# KiCad board 3ric.kicad_pcb (continued)
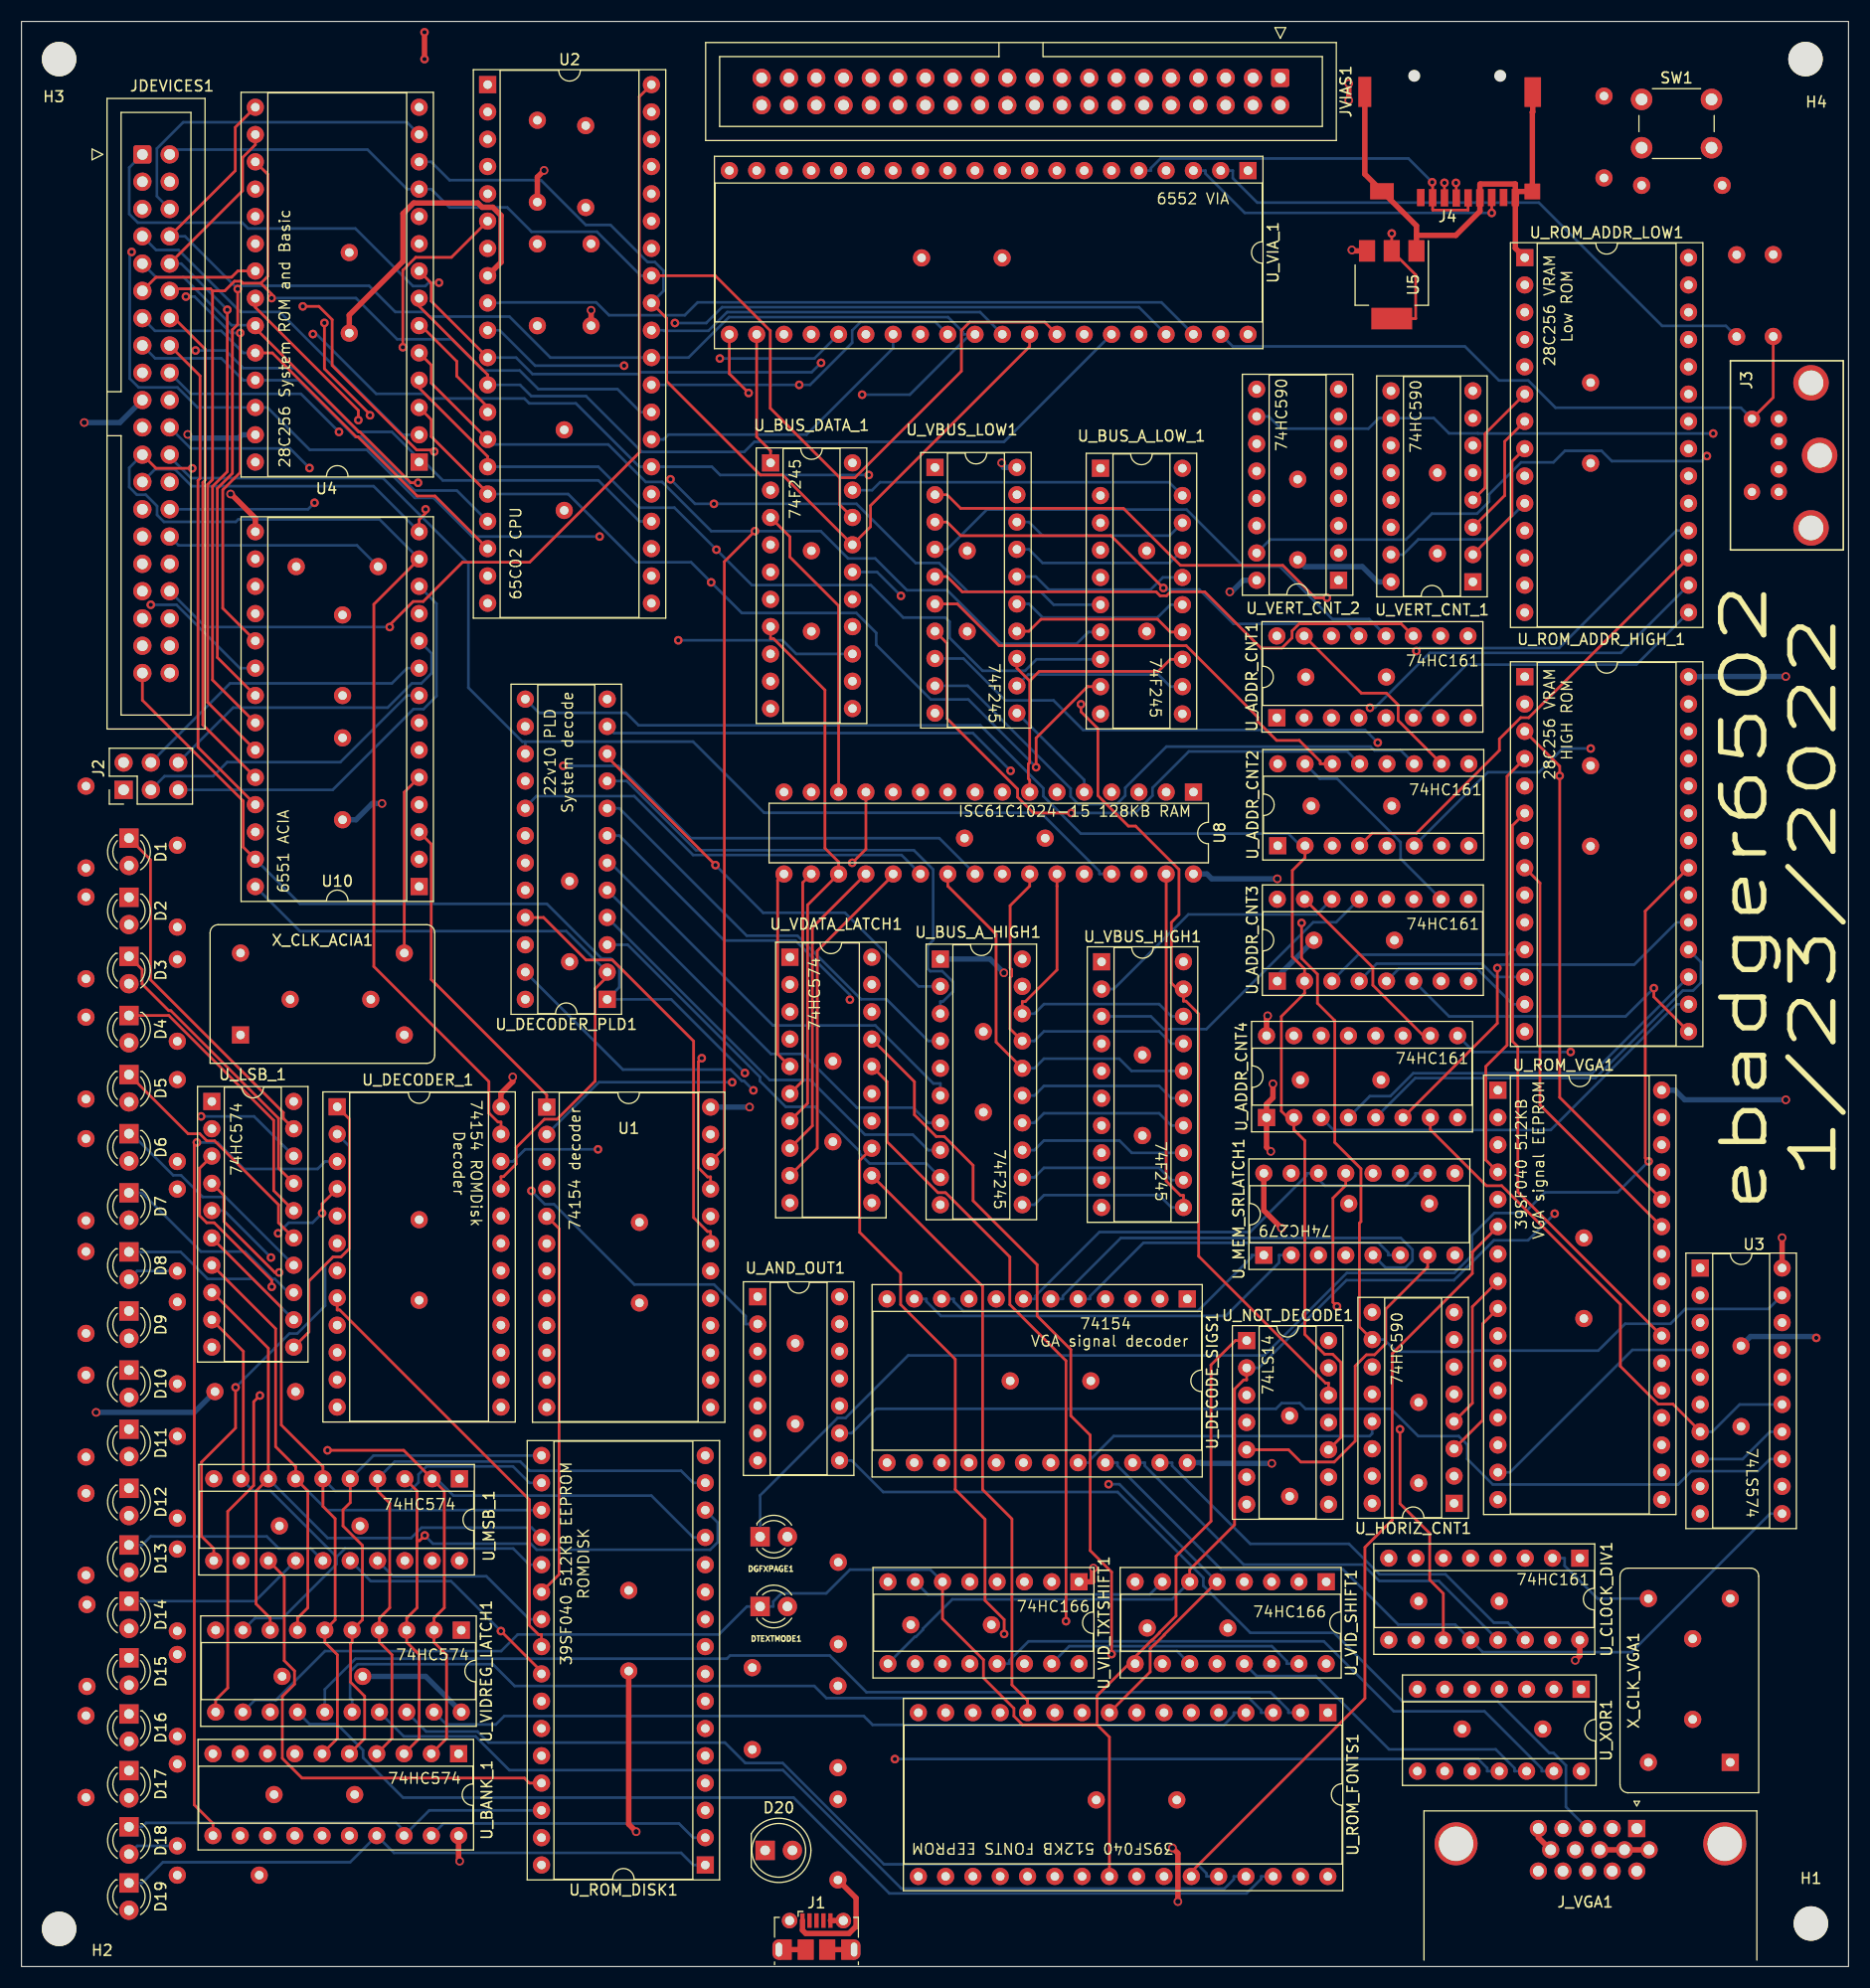
[diagram p0: board, top side]
## Nets (continued)
VSYNC: J_VGA1.14 U3.16
~{CPUBUS_CS}: U_BUS_A_HIGH1.19 U_BUS_A_LOW_1.19 U_BUS_DATA_1.19 U_DECODER_PLD1.23
~{CS_ACIA}: U1.1 U10.3
~{CS_IO2}: JDEVICES1.18 U1.3
~{CS_IO3}: JDEVICES1.22 U1.4
~{CS_RAM}: U8.22 U_DECODER_PLD1.17
~{CS_ROMDISK}: U1.5 U_DECODER_1.20 U_ROM_DISK1.22
~{CS_ROM}: U4.20 U_DECODER_PLD1.16
~{CS_VIA1}: U1.2 U_VIA_1.23
~{CTS}: J2.4 U10.9
~{Device}: U1.18 U1.19 U_DECODER_PLD1.21
~{IRQ_ACIA}: R5.1 U10.26 U_AND_OUT1.2
~{IRQ_VIA1}: U_AND_OUT1.1 U_VIA_1.21
~{IRQEXT}: JDEVICES1.30 R6.1 U_AND_OUT1.5
~{IRQ}: U2.4 U_AND_OUT1.6
~{NMI}: JDEVICES1.32 R4.1 U2.6
~{OE}: JDEVICES1.26 U4.22 U8.24 U_DECODER_PLD1.14
~{RESET}: C_RESET_1.1 JDEVICES1.34 R_RESET_1.2 SW1.2 U2.40 U10.4 U_VIA_1.34
~{RomDiskOE}: U_DECODER_1.8 U_ROM_DISK1.24
~{RTS}: J2.3 U10.8
~{WE}: JDEVICES1.24 U8.29 U_DECODER_PLD1.15
Net-(D1-Pad2): D1.2 R7.1
Net-(D2-Pad2): D2.2 R8.1
Net-(D3-Pad2): D3.2 R9.1
Net-(D4-Pad2): D4.2 R10.1
Net-(D5-Pad2): D5.2 R11.1
Net-(D6-Pad2): D6.2 R12.1
Net-(D7-Pad2): D7.2 R13.1
Net-(D8-Pad2): D8.2 R14.1
Net-(D9-Pad2): D9.2 R15.1
Net-(D10-Pad2): D10.2 R16.1
Net-(D11-Pad2): D11.2 R17.1
Net-(D12-Pad2): D12.2 R18.1
Net-(D13-Pad2): D13.2 R19.1
Net-(D14-Pad2): D14.2 R20.1
Net-(D15-Pad2): D15.2 R21.1
Net-(D16-Pad2): D16.2 R22.1
Net-(D17-Pad2): D17.2 R23.1
Net-(D18-Pad2): D18.2 R24.1
Net-(D19-Pad2): D19.2 R25.1
Net-(D20-Pad1): D20.1 R_POWER1.1
Net-(DGFXPAGE1-Pad2): DGFXPAGE1.2 R26.1
Net-(DTEXTMODE1-Pad2): DTEXTMODE1.2 R27.1
Net-(R1-Pad1): R1.1 U2.2
Net-(R2-Pad1): R2.1 U2.38
Net-(R3-Pad1): R3.1 U2.36
Net-(U3-Pad2): U3.2 U_ROM_VGA1.13
Net-(U3-Pad3): U3.3 U_ROM_VGA1.14
Net-(U3-Pad4): U3.4 U_ROM_VGA1.15
Net-(U3-Pad5): U3.5 U_ROM_VGA1.17
Net-(U3-Pad6): U3.6 U_ROM_VGA1.18
Net-(U_ADDR_CNT1-Pad11): U_ADDR_CNT1.11 U_VBUS_LOW1.5
Net-(U_ADDR_CNT1-Pad12): U_ADDR_CNT1.12 U_VBUS_LOW1.4
Net-(U_ADDR_CNT1-Pad13): U_ADDR_CNT1.13 U_VBUS_LOW1.3
Net-(U_ADDR_CNT1-Pad14): U_ADDR_CNT1.14 U_VBUS_LOW1.2
Net-(U_ADDR_CNT2-Pad11): U_ADDR_CNT2.11 U_VBUS_LOW1.9
Net-(U_ADDR_CNT2-Pad12): U_ADDR_CNT2.12 U_VBUS_LOW1.8
Net-(U_ADDR_CNT2-Pad13): U_ADDR_CNT2.13 U_VBUS_LOW1.7
Net-(U_ADDR_CNT2-Pad14): U_ADDR_CNT2.14 U_VBUS_LOW1.6
Net-(U_ADDR_CNT3-Pad11): U_ADDR_CNT3.11 U_VBUS_HIGH1.5
Net-(U_ADDR_CNT3-Pad12): U_ADDR_CNT3.12 U_VBUS_HIGH1.4
Net-(U_ADDR_CNT3-Pad13): U_ADDR_CNT3.13 U_VBUS_HIGH1.3
Net-(U_ADDR_CNT3-Pad14): U_ADDR_CNT3.14 U_VBUS_HIGH1.2
Net-(U_ADDR_CNT4-Pad11): U_ADDR_CNT4.11 U_VBUS_HIGH1.9
Net-(U_ADDR_CNT4-Pad12): U_ADDR_CNT4.12 U_VBUS_HIGH1.8
Net-(U_ADDR_CNT4-Pad13): U_ADDR_CNT4.13 U_VBUS_HIGH1.7
Net-(U_ADDR_CNT4-Pad14): U_ADDR_CNT4.14 U_VBUS_HIGH1.6
Net-(U_AND_OUT1-Pad3): U_AND_OUT1.3 U_AND_OUT1.4
Net-(U_DECODE_SIGS1-Pad1): U_DECODE_SIGS1.1 U_MEM_SRLATCH1.11 U_MEM_SRLATCH1.12
Net-(U_DECODE_SIGS1-Pad2): U_DECODE_SIGS1.2 U_MEM_SRLATCH1.15
Net-(U_DECODE_SIGS1-Pad5): U_DECODE_SIGS1.5 U_MEM_SRLATCH1.6
Net-(U_DECODE_SIGS1-Pad6): U_DECODE_SIGS1.6 U_MEM_SRLATCH1.5
Net-(U_DECODE_SIGS1-Pad7): U_DECODE_SIGS1.7 U_MEM_SRLATCH1.10 U_MEM_SRLATCH1.14
Net-(U_DECODE_SIGS1-Pad10): U_DECODE_SIGS1.10 U_MEM_SRLATCH1.1
Net-(U_DECODE_SIGS1-Pad11): U_DECODE_SIGS1.11 U_MEM_SRLATCH1.2 U_MEM_SRLATCH1.3
Net-(U_MEM_SRLATCH1-Pad7): U_MEM_SRLATCH1.7 U_NOT_DECODE1.5
Net-(U_MEM_SRLATCH1-Pad9): U_MEM_SRLATCH1.9 U_NOT_DECODE1.11
Net-(U_MEM_SRLATCH1-Pad13): U_MEM_SRLATCH1.13 U_NOT_DECODE1.13
Net-(U_VERT_CNT_1-Pad9): U_VERT_CNT_1.9 U_VERT_CNT_2.12

Pads without a net: J1 2 3 4; J3 2 6 7; J4 1 8; J_VGA1 0 4 9 11 12 15; U1 6 7 8 9 10 11 13 14 15 16 17; U2 1 3 5 7 35 39; U3 9 12; U8 1 2; U10 7 11 16 17; U_ADDR_CNT4 15; U_AND_OUT1 11 12 13; U_BANK_1 12 13 14 15 16; U_CLOCK_DIV1 15; U_DECODE_SIGS1 3 4 8 9 13 14 15 16 17; U_DECODER_1 5 6 7 9 10 11 13 14 15 16 17; U_DECODER_PLD1 18 19 20; U_HORIZ_CNT1 6 7 9; U_NOT_DECODE1 3 4 8 9; U_ROM_ADDR_LOW1 11 12 13; U_ROM_VGA1 19 20 21; U_VERT_CNT_2 2 3 4 5 6 7 9; U_XOR1 1 2 3 4 5 6 8 9 10; X_CLK_ACIA1 1; X_CLK_VGA1 1

## Via types
v1: diameter 0.8, hole 0.5, Top to Bottom, 30 vias
v2: diameter 0.8, hole 0.4, Top to Bottom, 95 vias

## Routing (per net, layer and track width the routed paths; a pad name or vN(x,y) marks a point on that pad's centre or on a via; arc(x,y) is an arc through that point)
3.3V: length 20.4
  Top w0.25: U5.2 129.73,153.35 129.73,157.42 U5.2 v2(127.5,161.27) ; v2(133.47,165.98) 133.5,165.95 J4.4
  In1.Cu w0.25: v2(127.5,161.27) 128.76,161.27 v2(133.47,165.98)
GND: length 59.9
  Top w0.5: J_VGA1.8 151.44,10.86 ; J4.9 140.62,172.6 140.58,172.56 J4.9 139,165.18 ; J4.9 124.99,166.8 J4.9 ; J1.6 J1.6 J1.6 ; U_ROM_ADDR_LOW1.1 139,159.9 139,165.18 ; J1.6 J1.5 ; U5.1 129.8,161.1 ; 129.8,161.1 133.46,161.1 135.7,163.34 135.7,165.84 135.74,165.88 138.99,165.88 139,165.87 139,165.18 ; 129.8,161.1 129.8,161.99 127.19,164.6 ; 142.28,10.86 141.14,12.01 J_VGA1.5 ; J1.6 J1.6 J1.6
V3.3: length 124.5
  In1.Cu w0.25: JVIAS1.31 75.96,178.83 31.06,178.83 23.98,171.75 19.74,171.75 15.35,167.36 10.82,167.36 9.52,166.06 9.52,125.5 10.78,124.25 11.83,124.25 13.03,125.45 JDEVICES1.36
  In2.Cu w0.25: JVIAS1.31 JVIAS1.29
VCC: length 1153.2
  Top w0.5: U2.8 44.62,158.59 44.62,162.94 43.85,163.72 42.86,163.72 42.46,164.11 36.48,164.11 35.5,163.13 35.5,158.68 30.5,153.68 C19.1 ; v1(115.95,88.47) 115.85,88.37 U_ADDR_CNT4.16 ; v1(144.57,28.49) 145,28.92 U_CLOCK_DIV1.16 ; U10.15 21.76,134.77 19.5,137.03 v1(19.46,137.03) ; v1(107.09,11.04) 107.6,10.53 v1(107.6,6.04) ; J1.1 72.67,3.38 72.97,3.07 76.99,3.07 77.66,3.74 77.66,6.37 C6.1 ; C15.1 56.5,13.24 v1(57.2,12.55) ; v1(99.74,37.07) 99.65,36.99 99.65,35.8 U_VID_TXTSHIFT1.1 ; R1.2 48,166.52 v1(48.62,167.14) ; v2(37.5,177.5) v2(37.5,180) ; v1(116.44,82.14) 116.44,80.84 115.85,80.25 U_ADDR_CNT4.1 115.85,76.24 v1(116.24,75.85) ; v1(117.23,68.72) 115.6,70.35 U_MEM_SRLATCH1.16 ; v1(123.5,175.24) v1(123.5,173.66) ; v1(53,154.13) R3.2 ; U_DECODER_1.24 44.61,81.25 45.71,82.34 v1(45.71,82.78) ; U_BANK_1.20 40.67,9.9 v1(40.77,9.8) ; v1(163.82,67.82) U3.20 ; v1(123.79,159.74) 123.88,159.65 U5.3
  In1.Cu w0.5: U_CLOCK_DIV1.16 141.5,33.88 141.5,34 ; C28.1 31.84,40.66 31.84,34.62 32.02,34.45 ; U_VBUS_HIGH1.20 108.12,100.42 ; U_VDATA_LATCH1.20 75.5,90.31 C39.1 ; v1(40.77,9.8) 41.46,9.11 41.46,6.06 ; 32.02,34.45 32.02,27.27 C35.1 ; 32.02,34.45 37.43,34.45 U_MSB_1.20 ; U_ROM_DISK1.31 U_ROM_DISK1.32 48.39,5.76 ; v1(107.09,11.04) 107.09,15.09 C8.1 ; U_ADDR_CNT2.16 116.89,111.3 ; 116.89,111.3 116.89,111.11 C3.1 118.67,109.33 118.23,109.33 116.89,107.99 U_ADDR_CNT2.1 116.89,103.05 116.85,103.01 v1(116.85,101.22) U_ADDR_CNT3.16 116.85,98.07 119.42,95.5 C16.1 ; 116.89,111.3 116.81,111.37 U_ADDR_CNT1.1 116.81,119.41 118.39,120.99 ; U8.32 109.05,101.35 108.12,100.42 ; 121.62,58.88 121.62,59.5 121.55,59.57 121.55,61.78 121.95,62.18 121.95,68.72 ; 121.62,58.88 U_NOT_DECODE1.14 ; 121.62,58.88 118,55.26 C4.1 116.34,49.59 v1(116.34,46.82) ; C33.1 89.5,90.56 v1(91.41,92.47) 91.41,92.66 93.12,94.38 ; 93.12,94.38 93.12,95 95.08,96.96 95.08,104.83 C32.1 ; 93.12,94.38 U_BUS_A_HIGH1.20 ; U2.8 43.34,157.34 R4.2 50.5,150.19 C14.1 ; C39.1 76.79,82.96 76.79,64.25 76.12,63.58 U_AND_OUT1.14 76.12,61.08 75.08,61.08 C37.1 ; C39.1 73.75,82.5 70.27,82.5 v1(67.75,79.97) ; 68.87,177.66 JVIAS1.39 ; JDEVICES1.20 15.47,144.09 v1(15.47,142.57) ; C31.1 129.1,128.85 U_VERT_CNT_1.16 ; C20.1 116.85,129 116.81,129 ; 108.12,100.42 105.22,100.42 U8.30 ; 24.01,131.53 24.01,131.45 22.26,129.71 20.59,129.71 JDEVICES1.38 ; 24.01,131.53 25.26,130.28 25.56,130.28 25.56,130.9 25.56,130.08 C26.1 33.54,122.11 v1(33.54,108.23) 33.54,106.5 U10.2 ; 24.01,131.53 23.97,131.53 21.98,133.52 U10.15 ; 121.55,5.82 U_ROM_FONTS1.32 ; 76.49,177.16 JVIAS1.33 ; 129.76,43.1 U_CLOCK_DIV1.7 129.76,36.75 127.22,34.21 U_CLOCK_DIV1.9 ; 129.76,43.1 U_HORIZ_CNT1.16 ; 129.76,43.1 129.76,44.76 C22.1 ; U_VID_SHIFT1.1 U_VID_SHIFT1.16 ; v1(57.2,12.55) 57.29,12.45 57.29,5.39 ; U_CLOCK_DIV1.10 133.38,34 C1.1 141.46,34 ; 37,71.68 44.07,78.75 44.61,78.75 U_DECODER_1.24 ; 37,71.68 32.49,76.19 28.84,76.19 26.58,78.46 26.58,78.48 25.85,79.21 25.83,79.21 25.33,79.7 U_LSB_1.20 25.33,89.67 C21.1 29.88,94.88 29.88,106.72 ; 37,71.68 C17.1 ; 118.39,120.99 116.81,122.57 U_ADDR_CNT1.16 116.81,129 ; 118.39,120.99 118.39,121.11 C9.1 ; 155.12,157.75 147.25,157.75 ; 155.12,157.75 U_ROM_ADDR_LOW1.27 ; 155.12,157.75 U_ROM_ADDR_LOW1.28 ; 147.25,157.75 R_RESET_1.1 ; 147.25,157.75 147.25,148.64 C12.1 ; C34.1 141.31,21.87 141.31,16.2 135.94,10.82 135.94,6.37 ; C34.1 145.12,18.53 U_XOR1.14 ; C34.1 143.87,24.42 143.87,27.8 v1(144.57,28.49) ; U_VIDREG_LATCH1.20 39.42,22.18 39.42,16 ; U1.24 57.5,73.36 C43.1 ; C40.1 104.7,135.4 108.02,138.72 108.02,138.8 ; 167.25,157.95 164.36,157.95 RKB1.1 ; 39.42,16 39.42,13.43 U_BANK_1.20 ; 39.42,16 C24.1 ; v1(116.24,75.85) 115.6,75.21 U_MEM_SRLATCH1.16 ; C2.1 104.37,49.63 ; 104.37,49.63 102.12,47.39 102.12,39.46 v1(99.74,37.07) ; 104.37,49.63 105.73,49.63 U_DECODE_SIGS1.24 108.47,43.53 109.99,42.01 109.99,33.76 C11.1 ; 165.06,69.35 163.82,68.11 v1(163.82,67.82) ; 108.02,138.8 112.43,134.39 v1(112.43,127.92) ; 108.02,138.8 U_BUS_A_LOW_1.20 ; R2.2 51.73,162.92 51.73,155.39 v1(53,154.13) ; 73.95,177.52 JVIAS1.35 ; v1(48.62,167.14) 51,169.52 51,177.67 ; 165.64,118.57 v1(164.17,120.05) ; 123.5,177.98 v1(123.5,175.24) ; 116.81,129 U_VERT_CNT_2.16 ; 121.95,68.72 v1(117.23,68.72) ; 121.95,68.72 121.95,69.45 C7.1 ; 71.41,177.42 JVIAS1.37 ; C13.1 88,136.5 U_VBUS_LOW1.1 85,143 84.89,143.11 84.89,157.86 C38.1 ; C5.1 94.78,31.8 U_VID_TXTSHIFT1.16 ; C5.1 94.08,31.8 ; C5.1 94.4,31.8 U_VID_TXTSHIFT1.1 ; v1(123.79,159.74) 123.79,173.37 v1(123.5,173.66) ; C42.1 73.5,136.1 U_BUS_DATA_1.20 73.48,143.76 U_VIA_1.24 ; 4.76,52.02 6.49,52.02 v1(6.94,51.57) ; U_VBUS_HIGH1.1 104.3,89.7 C18.1 ; v1(116.44,82.14) 117.76,83.46 118.04,83.46 C10.1 119,83.47 U_ADDR_CNT4.16 ; C36.1 151.74,117.48 U_ROM_ADDR_HIGH_1.27 U_ROM_ADDR_HIGH_1.28 ; C27.1 47.5,90 U_DECODER_PLD1.24 46.88,83.95 v1(45.71,82.78) ; 166.43,137.47 163.75,137.47 J3.4 ; R_POWER1.2 77.24,17.23 77.24,9.33 C6.1 75.97,7.41 77.54,5.85 ; 165.31,79.51 v1(164.17,80.65) ; v1(115.95,88.47) 116.85,89.37 U_ADDR_CNT3.1 ; 141.46,33.96 145,37.5 U_CLOCK_DIV1.1 ; v1(5.84,143.68) 5.75,143.77 3.8,143.77 ; C25.1 155.38,23 X_CLK_VGA1.14 ; 65.86,178.23 65.86,167.12 ; 4.73,106.81 5.51,106.81 8.2,109.5 J2.1 ; C19.1 30.5,151.28 U4.27 U4.28 21.76,139.33 v1(19.46,137.03) ; C41.1 145.38,71.77 U_ROM_VGA1.31 U_ROM_VGA1.32 ; 119.01,5.46 U_ROM_FONTS1.31
  In2.Cu w0.5: U_BUS_DATA_1.20 83.32,139.93 83.75,139.5 U_VBUS_LOW1.1 86.25,139.5 86.67,139.92 v1(91.2,139.92) ; U_ROM_ADDR_LOW1.28 156.37,159.03 156.63,159.29 RKB2.2 160.84,159.29 160.86,159.31 RKB1.1 ; X_CLK_ACIA1.14 24.69,90 C21.1 ; U_XOR1.14 150.56,18.18 X_CLK_VGA1.14 ; U_CLOCK_DIV1.10 U_CLOCK_DIV1.9 121.4,30.38 ; U_VBUS_LOW1.20 99.07,139.5 99.15,139.43 U_BUS_A_LOW_1.1 U_BUS_A_LOW_1.20 ; U_VBUS_HIGH1.20 U_VBUS_HIGH1.1 99.25,93.5 99,93.75 U_BUS_A_HIGH1.20 ; U_VID_SHIFT1.16 121.4,30.38 ; 121.4,30.38 113.37,30.38 C11.1 ; R3.2 R4.2 ; R2.2 49.75,163.69 49.25,164.19 R1.2 ; U_BUS_A_HIGH1.1 84.25,93.75 84.07,93.92 U_VDATA_LATCH1.20 ; JDEVICES1.20 JDEVICES1.19
  Bottom w0.5: C16.1 116.85,92.1 U_ADDR_CNT3.1 ; v1(91.41,92.47) 90.13,93.75 U_BUS_A_HIGH1.1 ; U4.27 20.51,142.54 20.2,142.23 15.81,142.23 v1(15.47,142.57) ; C35.1 37.6,27 U_VIDREG_LATCH1.20 ; U8.32 110.3,101.67 110.75,101.22 v1(116.85,101.22) ; C30.1 16.07,51.57 v1(6.94,51.57) ; U1.24 v1(67.75,79.97) ; v1(112.43,127.92) 112.6,127.92 113.68,129 U_VERT_CNT_2.16 ; C23.1 160.88,58.63 166.87,58.63 v2(167,58.5) ; U_ROM_VGA1.32 153.87,81.55 154.76,80.65 v1(164.17,80.65) ; v1(33.54,108.23) 32.64,108.23 31.13,106.72 29.88,106.72 ; JDEVICES1.19 9.16,143.68 v1(5.84,143.68) ; U_ROM_ADDR_HIGH_1.28 156.37,120.03 156.39,120.05 v1(164.17,120.05) ; C20.1 119.38,130.27 124.76,130.27 126.18,128.85 U_VERT_CNT_1.16 ; U_DECODE_SIGS1.24 109.73,46.88 109.79,46.82 v1(116.34,46.82) ; U_VBUS_LOW1.20 91.37,139.5 91.37,139.76 v1(91.2,139.92)
AR3: length 29.7
  Bottom w0.25: U_ADDR_CNT1.6 134.46,121.15 150.26,121.15 U_ROM_ADDR_LOW1.15
AR4: length 49.1
  In1.Cu w0.25: v2(125.48,117.13) 125.48,117.13 125.83,116.78 125.83,115.62 125.47,115.26 125.47,113.59 125.65,113.42 125.65,107.98 U_ADDR_CNT2.3
  Bottom w0.25: U_ROM_ADDR_LOW1.16 148.81,122.24 131.04,122.24 125.92,117.13 v2(125.48,117.13)
AR5: length 42.3
  Top w0.25: U_ROM_ADDR_LOW1.17 140.25,116.22 139.5,116.22 137.51,114.23 137.51,113.17 129.8,105.46 125.67,105.46 U_ADDR_CNT2.4
AR6: length 49.4
  In1.Cu w0.25: U_ADDR_CNT2.5 127.05,105.43 128.63,107 128.63,109.28 128.38,109.53 128.38,121.01 v2(129.79,122.42)
  Bottom w0.25: U_ROM_ADDR_LOW1.18 153.99,133.62 143.06,122.69 130.07,122.69 v2(129.79,122.42)
AR7: length 46.8
  In1.Cu w0.25: v2(146.01,113.34) 146.01,127.06 U_ROM_ADDR_LOW1.19
  Bottom w0.25: U_ADDR_CNT2.6 136.42,111.14 141.2,111.14 143.41,113.34 v2(146.01,113.34)
AR8: length 19.2
  Bottom w0.25: U_ADDR_CNT3.3 124.39,94.16 138.28,94.16 138.75,94.62 U_ROM_ADDR_HIGH_1.11
AR9: length 16.6
  Bottom w0.25: 139.88,92.08 137.13,92.08 135.89,93.32 126.09,93.32 U_ADDR_CNT3.4
AR10: length 14.7
  Bottom w0.25: U_ADDR_CNT3.5 128.14,92.83 135.47,92.83 138.75,89.55 U_ROM_ADDR_HIGH_1.13
AR11: length 30.2
  Top w0.25: v2(151.89,91.04) 151.89,90.23 U_ROM_ADDR_HIGH_1.15
  Bottom w0.25: v2(151.89,91.04) 149.26,88.41 132.84,88.41 U_ADDR_CNT3.6
AR12: length 39.5
  Bottom w0.25: U_ROM_ADDR_HIGH_1.16 153.99,89.55 142.29,77.84 122.09,77.84 U_ADDR_CNT4.3
AR13: length 37.1
  Bottom w0.25: 155.12,92.08 146.15,83.12 129.5,83.12 127.37,81 125.47,81 U_ADDR_CNT4.4
AR14: length 39
  Bottom w0.25: U_ADDR_CNT4.5 129.69,82.68 146.45,82.68 154.59,90.81 155.54,90.81 156.27,91.55 156.27,93.47 U_ROM_ADDR_HIGH_1.18
AR15: length 37.1
  Top w0.25: U_ADDR_CNT4.6 137.32,87.77 v2(137.32,92.92)
  Bottom w0.25: v2(137.32,92.92) 137.64,93.23 150.06,93.23 153.99,97.17 U_ROM_ADDR_HIGH_1.19
CA0: length 230.2
  Top w0.25: U_DECODER_1.23 44.61,78.59 44.33,78.59 43.49,79.43 43.49,82.35 32.78,93.06 32.78,126.76 U10.13 ; v2(15.89,139.42) 12.52,139.42 JDEVICES1.23
  In1.Cu w0.25: U4.10 37,161.91 ; 37,161.91 36.91,161.91 33.49,158.49 33.49,157.23 25.15,148.89 21.44,148.89 18.86,146.32 18.86,142.39 v2(15.89,139.42) ; 37,161.91 37.04,161.96 38.41,160.59 38.41,159.77 U2.9 ; U_VIA_1.38 109.04,145.95 100.4,137.31 U_BUS_A_LOW_1.2
  Bottom w0.25: U2.9 44.5,154.81 44.55,154.86 53.47,154.86 54.67,153.67 61.72,153.67 62.92,154.86 106.07,154.86 U_VIA_1.38 ; U10.13 33.31,134.67 20.17,134.67 19.94,134.43 13.26,134.43 12.61,135.08 12.61,135.91 11.56,136.96 10.74,136.96 10.03,137.67 10.03,139.47 JDEVICES1.23
CA1: length 230.7
  Top w0.25: U10.14 37,134.65 37.6,135.25 v2(37.6,135.6)
  In1.Cu w0.25: 38.14,157.42 38.14,157.22 37.97,157.06 37.97,156.32 38.16,156.13 38.16,144.6 37.46,143.91 36.27,143.91 35.55,143.19 35.55,137.65 v2(37.6,135.6) ; 38.14,157.42 39.15,157.42 43.38,153.19 U2.10 ; 38.14,157.42 38.14,159.18 U4.9 ; v2(53.64,76.05) 53.34,76.35 53.34,105.45 48.3,110.49 48.3,113.07 47.24,114.13 45.37,114.13 43.11,116.39 43.11,122.99 38.86,127.24 38.86,131.66 U10.14 ; U_BUS_A_LOW_1.3 99.22,135.52 99.22,144.6 106.5,151.88 U_VIA_1.37 ; v2(56.07,148.97) 58.09,151 59,151 60.8,152.79 v2(60.8,152.94)
  Bottom w0.25: v2(56.07,148.97) 47.79,148.97 44.5,152.26 U2.10 ; U_VIA_1.37 103.98,154.41 65.19,154.41 63.72,152.94 v2(60.8,152.94) ; v2(53.64,76.05) 46.87,76.05 45.74,74.92 U_DECODER_1.22 ; JDEVICES1.25 12.42,139.33 14.27,139.33 15.84,137.76 32.76,137.76 U10.14
CA2: length 162.2
  Top w0.25: U2.11 38.12,154.98 38.12,156.66 U4.8
  In1.Cu w0.25: U4.8 34.67,157.78 23.24,146.35 21.4,146.35 19.98,144.94 19.98,142.49 14.46,136.97 12.61,136.97 JDEVICES1.27 ; v2(74.4,149.23) 75.03,149.23 77.44,151.64 77.44,154.32 83.27,160.15 84.61,160.15 92.53,152.22 92.53,149.3 94.48,147.35 94.48,133.5 99.89,128.09 100.86,128.09 101.56,128.79 101.56,130.65 U_BUS_A_LOW_1.4 98.76,133.45 98.76,146.68 U_VIA_1.36
  Bottom w0.25: v2(74.4,149.23) 73.52,148.36 57.57,148.36 57.41,148.19 47.55,148.19 46.02,149.72 U2.11
CA3: length 136.7
  Top w0.25: U4.7 37,154.5 43.38,148.13 U2.12
  In1.Cu w0.25: U_BUS_A_LOW_1.5 100.4,130.39 100.17,130.39 98.28,132.28 98.28,148.74 U_VIA_1.35 ; JDEVICES1.29 12.52,134.34 17.79,134.34 23.82,140.37 23.82,142.06 U4.7
  Bottom w0.25: U_VIA_1.35 91.42,141.88 68.19,141.88 67.25,140.94 57.73,140.94 52.53,146.14 47.43,146.14 46.39,147.19 U2.12
CA4: length 171.9
  Top w0.25: U2.13 43.38,145.12 40.5,148 40.5,149.38 37.18,152.7 U4.6
  In1.Cu w0.25: U4.6 35.84,152.7 24.27,141.13 24.27,140.18 15.89,131.8 12.52,131.8 JDEVICES1.31 ; v2(64.43,136.12) 63,134.68 63,125.04 63.19,124.84 63.19,97.42 62.55,96.77 62.55,83.7 65.25,81 65.25,78.57 64.11,77.44 ; v2(60.39,138.4) 49.62,138.4 U2.13
  Bottom w0.25: v2(60.39,138.4) 62.67,136.12 v2(64.43,136.12) 77.7,136.12 83.2,130.61 85.38,130.61 88.05,127.94 94.82,127.94 96.04,126.72 U_BUS_A_LOW_1.6
CA5: length 171.9
  Top w0.25: U1.22 65.4,76.18 65.4,130.73 v2(68.24,133.57) ; U4.5 38.12,149.04 38.12,147.36 U2.14
  In1.Cu w0.25: JDEVICES1.33 12.52,129.26 14.62,129.26 25.17,139.81 25.17,140.76 30.85,146.43 33.27,146.43 U4.5
  Bottom w0.25: U_BUS_A_LOW_1.7 99.27,124.19 98.18,123.09 91.13,123.09 86.15,128.07 82.4,128.07 79.43,131.03 76.91,131.03 74.37,133.57 v2(68.24,133.57) 64.18,133.57 59.61,138.15 58.08,138.15 54.6,141.64 43.84,141.64 U2.14
CA6: length 174.2
  Top w0.25: U2.15 43.38,140.51 37,146.89 U4.4 ; 64.11,72.36 64.11,73.48 63.83,73.48 62.99,74.32 62.99,84.22 v2(63.29,84.53)
  In1.Cu w0.25: v2(63.29,84.53) 63.64,84.87 63.64,125.03 63.45,125.23 63.45,130.63 v2(64.66,131.85) ; U4.4 35.87,147.62 34.24,145.98 31.03,145.98 25.62,140.57 25.62,139.62 20.03,134.03 20.03,132.54 14.21,126.72 13.06,126.72 11.79,125.45 JDEVICES1.35
  Bottom w0.25: U2.15 53.68,139.56 57.49,135.75 60.75,135.75 v2(64.66,131.85) 67.96,128.55 79.02,128.55 82.04,125.53 85.97,125.53 86.36,125.14 86.36,123.64 89.42,120.58 93.38,120.58 94.45,121.64 U_BUS_A_LOW_1.8
CA7: length 181.4
  Top w0.25: U4.3 38.12,143.96 38.12,142.38 43.38,137.12 U2.16 ; v2(94.41,111.6) 94.41,114.32 99.19,119.11 U_BUS_A_LOW_1.9
  In1.Cu w0.25: U1.20 65.75,71.45 65.75,81.64 65.4,81.98 65.4,127.58 v2(64.17,128.81) ; U4.3 30.77,145.08 26.07,140.38 26.07,139.44 20.63,134 20.63,130.57 14.24,124.18 12.52,124.18 JDEVICES1.37
  Bottom w0.25: U2.16 50.87,137.03 57.22,130.68 62.3,130.68 v2(64.17,128.81) 67.02,125.95 77.68,125.95 79.54,124.1 79.54,122.99 84.61,117.91 88.1,117.91 v2(94.41,111.6)
CA8: length 105.3
  Top w0.25: U_DECODER_PLD1.10 54.5,112.57 v2(64.57,102.49)
  In1.Cu w0.25: U2.17 43.38,134.12 53.35,124.15 53.35,114.01 U_DECODER_PLD1.10
  Bottom w0.25: JDEVICES1.15 12.44,149.66 18.6,149.66 20.63,147.62 U4.25 25.77,147.62 31.03,142.36 31.58,142.36 36.59,137.35 40.51,137.35 U2.17 ; v2(64.57,102.49) 69.01,98.06 76.62,98.06 83.47,91.21 U_BUS_A_HIGH1.2
CA9: length 116.9
  Top w0.25: U2.18 38.48,136.84 36.82,136.84 31.3,142.36 31.15,142.36 23.34,150.16 U4.24
  In1.Cu w0.25: U_DECODER_PLD1.9 52.9,111.92 52.9,122.42 U2.18
  Bottom w0.25: U_DECODER_PLD1.9 56.32,110.32 62.76,103.88 83.03,103.88 84.83,102.08 84.83,95.5 84.33,95 84.33,92.85 84.55,92.62 85.68,92.62 86.68,91.62 86.68,90.74 85.73,89.8 85.5,89.8 U_BUS_A_HIGH1.3 ; U4.24 20.63,150.16 18.58,152.21 12.42,152.21 JDEVICES1.13
CA10: length 117.7
  Top w0.25: v2(38.41,140.98) 38.26,141.13 36.77,141.13 28.91,148.98 28.91,153.25 27.67,154.49 v2(26.17,154.49) ; JDEVICES1.11 12.52,157.2 19.55,157.2 20.13,157.78 U4.21
  In1.Cu w0.25: U4.21 22.89,157.78 v2(26.17,154.49) ; U_DECODER_PLD1.8 52.45,109.83 52.45,120.33 U2.19 43.38,129.18 42.25,130.3 42.25,137.13 v2(38.41,140.98)
  Bottom w0.25: U_BUS_A_HIGH1.4 84.37,86.13 80.49,90.01 78.12,90.01 72.2,95.92 67.48,95.92 55.63,107.78 U_DECODER_PLD1.8
CA11: length 115.4
  Top w0.25: U4.23 21.76,152.46 31.41,142.81 31.49,142.81 36.22,138.07 v2(36.9,138.07)
  In1.Cu w0.25: U_DECODER_PLD1.7 52,107.74 52,118.24 43.66,126.58 43.38,126.58 ; v2(36.9,138.07) 40.29,134.68 40.29,129.67 43.38,126.58 ; 43.38,126.86 43.38,126.58 ; U_BUS_A_HIGH1.5 85.5,84.13 79.66,89.97 v2(77.08,89.97)
  Bottom w0.25: U_DECODER_PLD1.7 55.63,105.24 65.39,95.47 72.02,95.47 77.08,90.41 v2(77.08,89.97) ; U4.23 21.72,152.74 19.54,152.74 15.08,157.2 12.52,157.2 JDEVICES1.9
CA12: length 129.5
  In1.Cu w0.25: U_DECODER_PLD1.6 56.59,104.79 56.59,126.54 ; 56.59,126.54 44.5,138.63 44.5,140.03 43.84,140.69 40.31,140.69 38.46,142.54 U4.2 ; 56.59,126.54 56.59,127.38 U2.22
  Bottom w0.25: U_DECODER_PLD1.6 54.8,102.7 69.92,87.58 79.45,87.58 84.85,82.18 85.5,82.18 U_BUS_A_HIGH1.6 ; JDEVICES1.7 12.52,159.74 14.61,159.74 20.38,153.97 24.03,153.97 35.46,142.54 U4.2
CA13: length 146.7
  In1.Cu w0.25: U_DECODER_PLD1.5 59.49,105.15 59.49,124.66 59.75,124.91 59.75,130.81 U2.23 58.61,131.38 58.05,131.94 54.92,131.94 v2(53.8,133.07) ; JDEVICES1.5 10.05,162.35 10.05,159.75 v2(10.25,159.55)
  Bottom w0.25: U_BUS_A_HIGH1.7 84.37,78.51 82.96,79.92 77.73,79.92 72.73,84.92 69.74,84.92 U_DECODER_PLD1.5 ; v2(53.8,133.07) 41.95,133.07 38.34,136.67 36.59,136.67 32.12,141.14 26.82,141.14 22.89,145.08 U4.26 16.38,145.08 14.52,146.95 10.91,146.95 10.07,147.78 10.07,159.38 v2(10.25,159.55)
